# Altium PCB CLP_v1.2_Pcb_2.PcbDoc (part 1 of 2)
Units mil, origin at the board's own origin, x right, y up, seen from the top; angles counter-clockwise.
Board outline 2247.32 x 3030.4 mil, 2 copper layers (Top Layer, Bottom Layer); 102 components, 87 nets, 445 pads, 103 vias.
Unrouted connection lines stored in the file: 22.
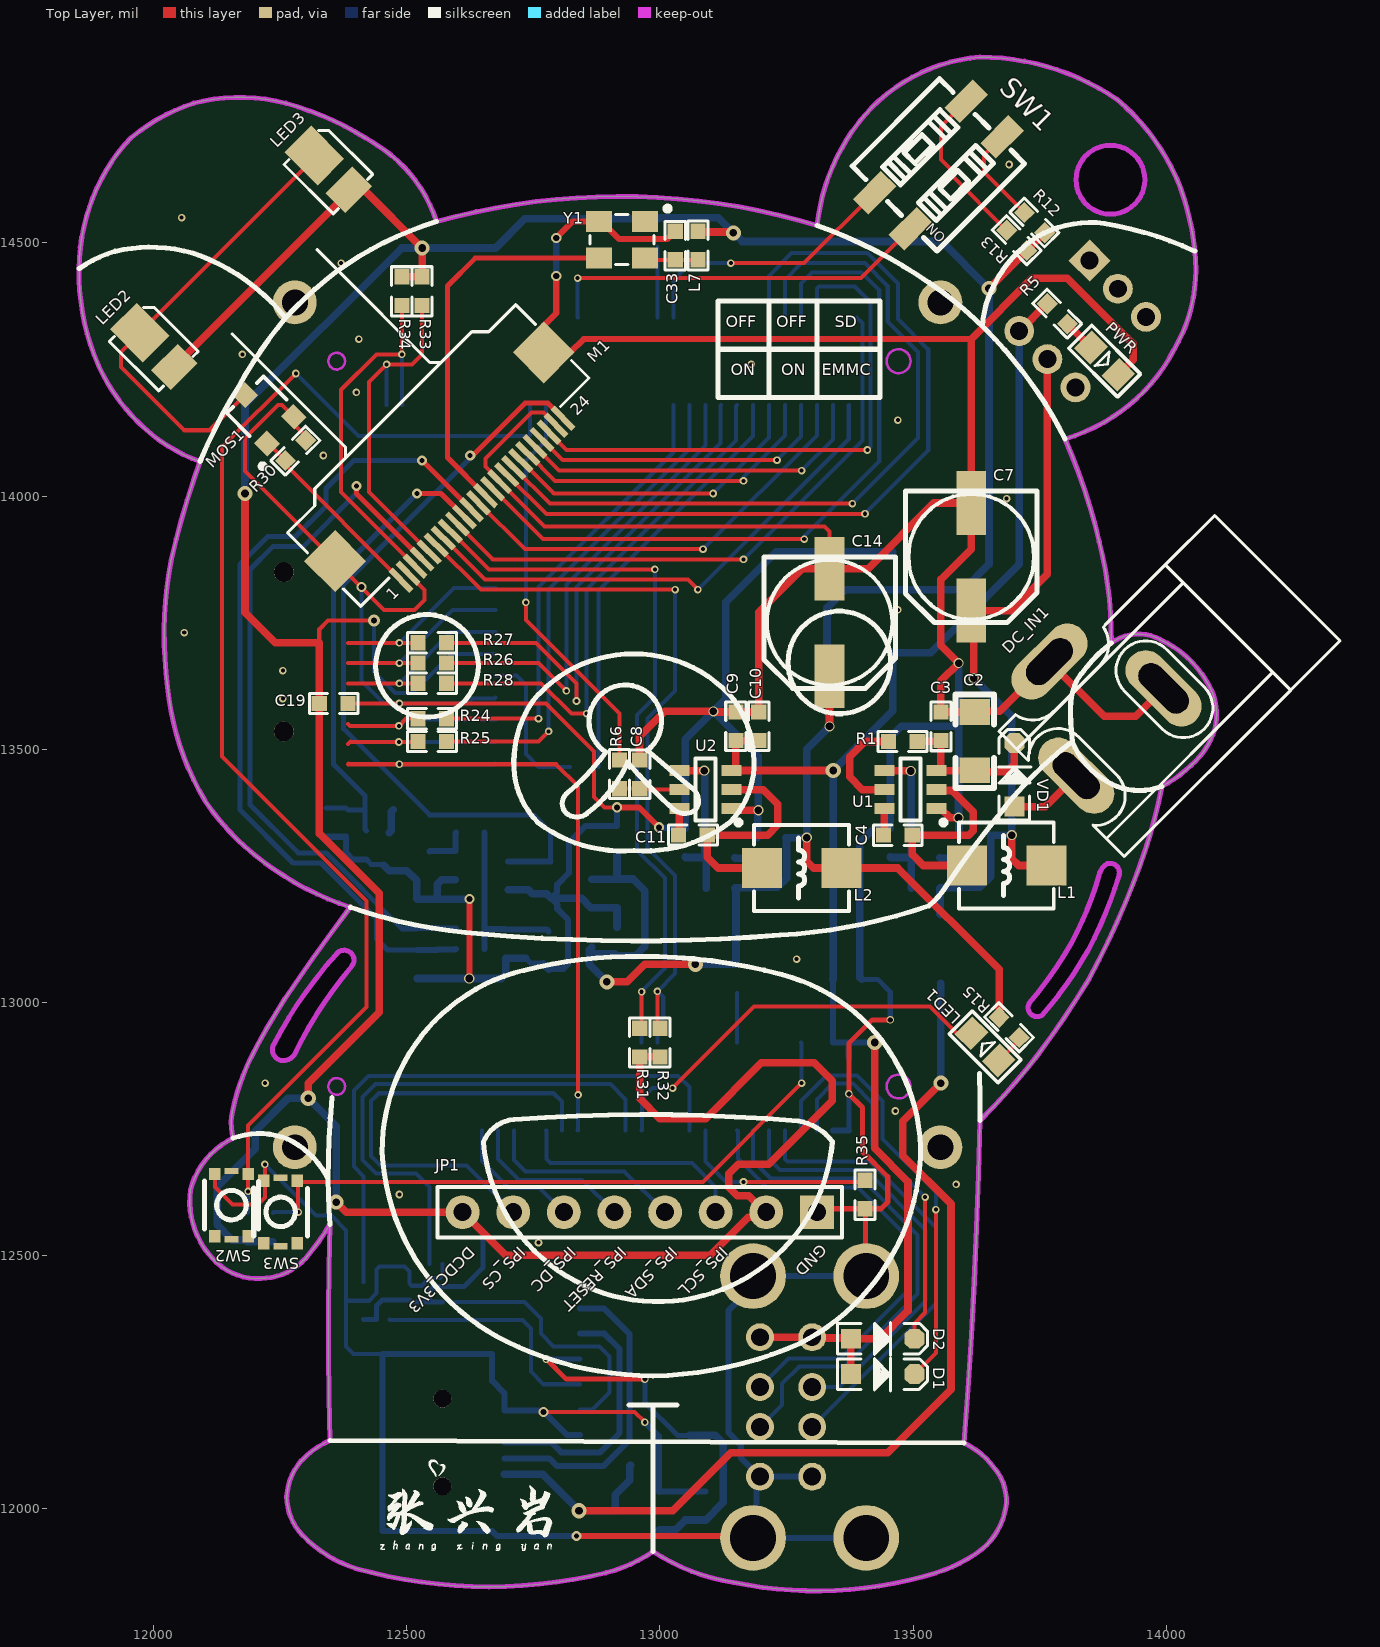
[diagram p0: Top Layer view]
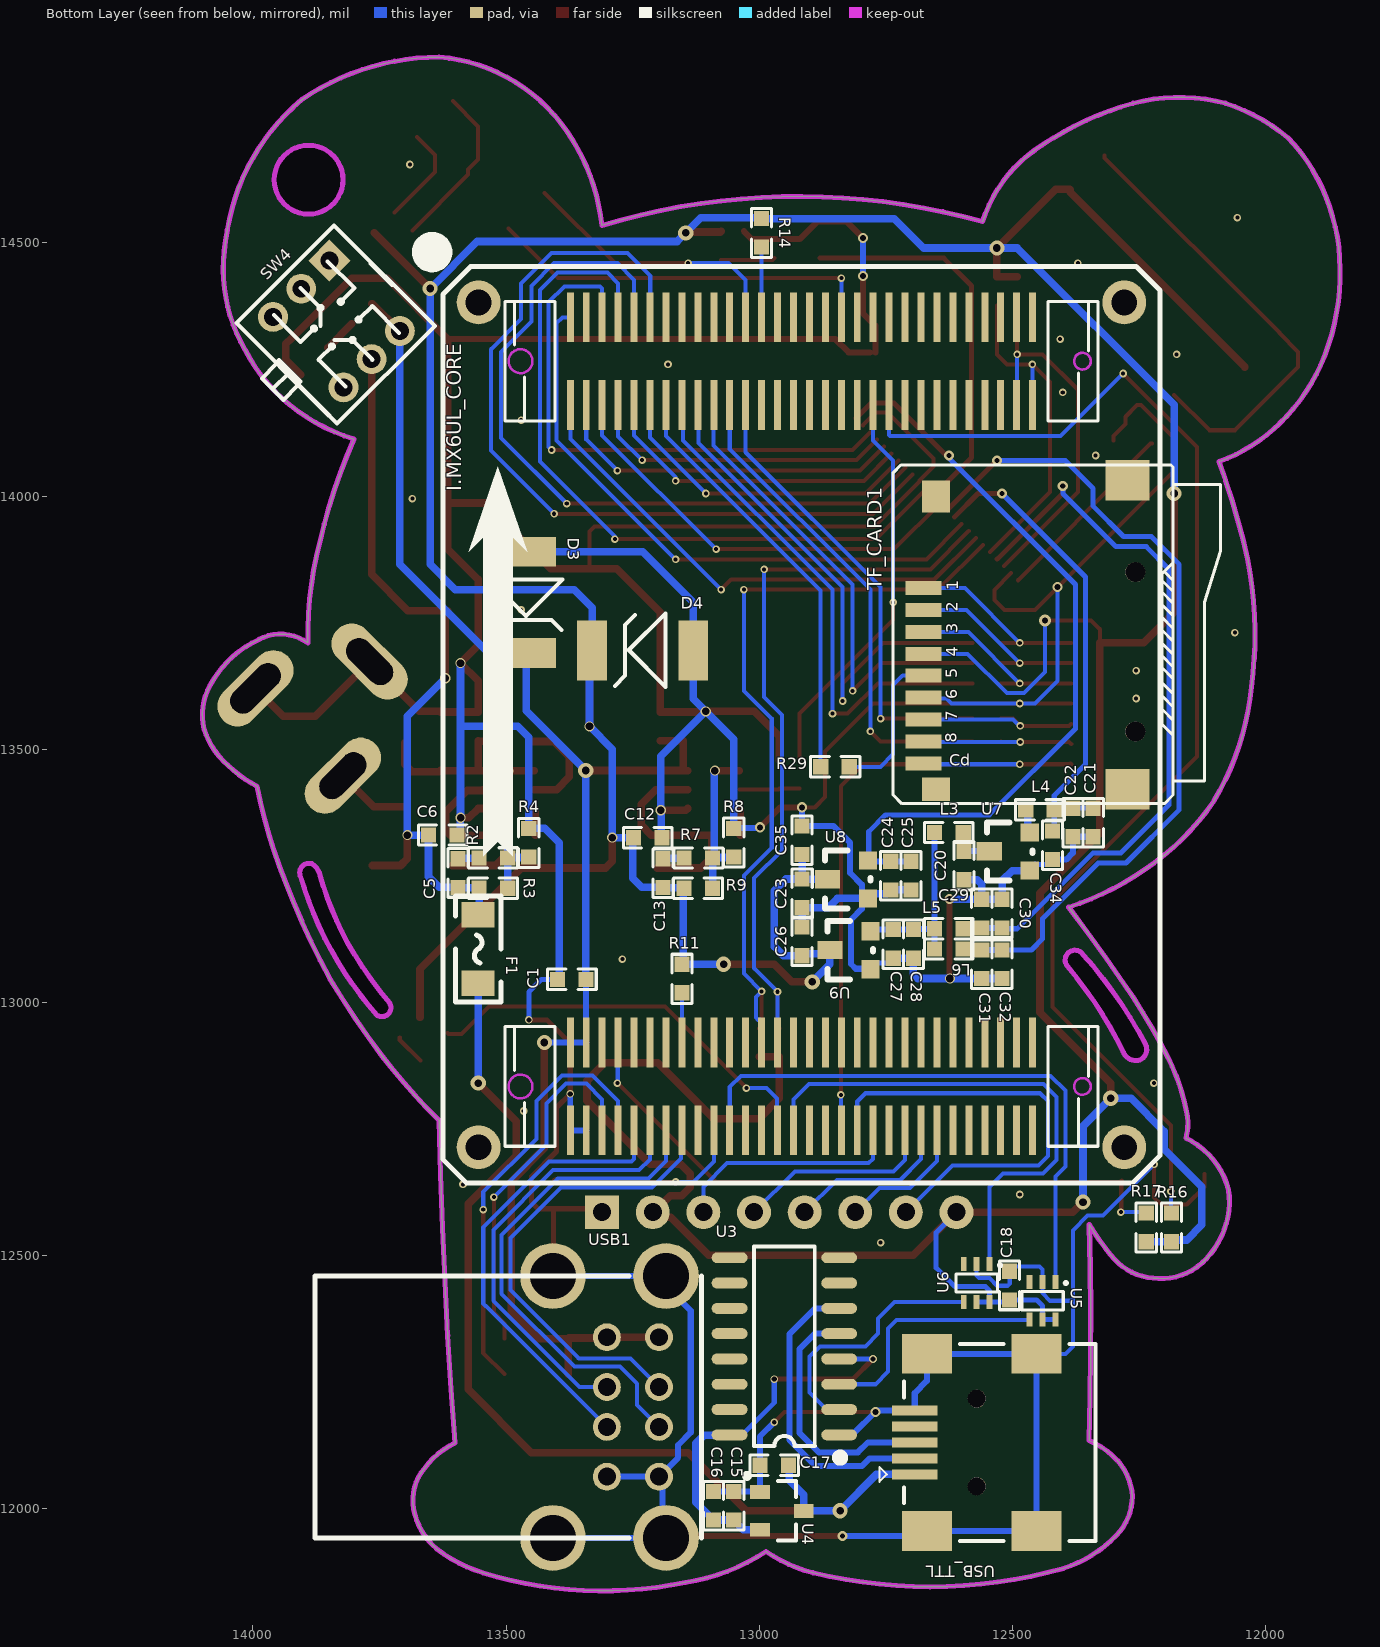
[diagram p1: Bottom Layer view, seen from below]

## Layer stack, top to bottom
Top Solder: solder mask 0.4, Solder Resist, Dk 3.5
Top Layer: signal copper 1.4
Dielectric 1: dielectric 12.6, FR-4, Dk 4.8
Bottom Layer: signal copper 1.4
Bottom Solder: solder mask 0.4, Solder Resist, Dk 3.5

## Board outline
12116.52,12492.87 cw(c12237.13,12607.38) 12072.26,12629.24 cw(c12224.71,12589.12) 12156.48,12731.23 cw(c12264.45,12760.09) 12155.24,12783.82 cw(c12564.24,12701.97) 12191.78,12889.75 cw(c13275.98,12343.82) 12278.93,13036.21 cw(c15109.31,11108.9) 12388.13,13187.55 cw(c12559.24,13719.6) 12238.67,13261.79 cw(c12510.87,13675.32) 12101.29,13397.22 cw(c12563.95,13674.19) 12027.2,13622.57 cw(c12798.53,13726.45) 12034.79,13876.26 cw(c13626,13511.71) 12091.28,14068.02 cw(c12203.74,14380.02) 11971.58,14143.18 cw(c12233.69,14413.83) 11890.33,14258.73 cw(c12297.58,14439.03) 11852.32,14449.27 cw(c12217.26,14450.31) 11873.21,14572 cw(c12207.68,14463.1) 11955.76,14708.59 cw(c12194.74,14419.48) 12078.2,14776.02 cw(c12169.67,14431.55) 12260.86,14776.09 cw(c12097.05,14184.42) 12439.62,14693.89 cw(c12296.22,14459.33) 12558.29,14542.39 cw(c12921.25,13239.99) 13310.59,14534.75 cw(c13709.08,14492.23) 13391.93,14737.21 cw(c13658.45,14531.6) 13632.19,14867.19 cw(c13632.19,14386.5) 13903.63,14783.22 cw(c13627.86,14453.88) 14028.68,14608.35 cw(c13536.81,14432.2) 14056.72,14483.75 cw(c13741.22,14448.22) 14015.52,14288.35 cw(c13706.73,14449.81) 13927.01,14179.81 cw(c13689.61,14473.85) 13800.41,14112.55 13800.4,14112.55 cw(c12696.74,13632.51) 13867.93,13909.68 cw(c13136.65,13721.77) 13891.59,13709.69 cw(c13945.56,13635.63) 13988.85,13716.4 cw(c13901.41,13528.39) 14078.53,13636.2 cw(c13978.17,13567.56) 14096.48,13539.52 cw(c13945.76,13587.23) 14049.66,13468.07 cw(c13882.57,13639.56) 13991.7,13426.44 cw(c12994.98,13618.2) 13935.82,13237.37 cw(c12293.81,13874.85) 13847.47,13044.96 cw(c12146.03,14088.16) 13744.47,12893.11 cw(c12775.27,13638.27) 13632.17,12766.29 cw(c2172.48,13011.35) 13600.78,12129.06 cw(c13532.25,11985.07) 13661.34,12078.69 cw(c13585.71,12015.35) 13684.22,12010.03 cw(c13550.21,12022.78) 13637.13,11919.99 cw(c13464.79,12140.46) 13545.21,11872.43 cw(c13308.91,12636.87) 13145.41,11853.62 cw(c13204.41,12245.53) 12986.32,11914.61 cw(c12825.39,12146.94) 12893.45,11872.63 cw(c12662.29,12819.61) 12398.15,11881.3 cw(c12476.9,12123.34) 12293.87,11946.46 cw(c12374.26,12024.12) 12262.49,12023.34 cw(c12376.34,12017.69) 12292.1,12094.48 cw(c12418.01,11975.75) 12347.89,12133.97 cw(c19536.13,12350.76) 12347.68,12560.56 cw(c11960.41,12790.03) 12305.21,12500.64 cw(c12211.11,12572.43) 12211.11,12454.08 cw(c12204.69,12573.16)
cut-out: 12258.66,12884.41 cw(c12256.28,12906.5) 12236.42,12916.44 cw(c13006.64,12512.41) 12359.78,13093.83 cw(c12375.97,13083.38) 12391.12,13071.48 ccw(c13640.93,12063.08) 12353.8,13023.4 ccw(c13002.66,12550.32) 12280.51,12901.48 cw(c12254.8,12911.87)
cut-out: 13730.46,12999.14 ccw(c13745.16,12989.15) 13754.64,12974.13 ccw(c13191.07,13469.78) 13858.2,13125.95 ccw(c13069.54,13506.15) 13906.65,13249.65 ccw(c13889.15,13255.8) 13883.46,13273.45 ccw(c13903.03,13242.55) 13867.22,13250.02 cw(c13240.77,13428.79) 13813.37,13118.1 cw(c13119.92,13513.01)
cut-out: 13890,14556.99 cw(c13890,14625) 13821.99,14625 cw(c13890,14625) 13890,14693.01 cw(c13890,14625) 13958.01,14625 cw(c13890,14625)

## Design rules (kind name [scope] priority, off if disabled: settings)
Clearance [All] p1: gap=8 ignorepadtopadclearanceinfootprint=FALSE except(0: Arc-Hole Track-Hole SMDPad-Hole THPad-Hole Via-Hole Fill-Hole Poly-Hole Region-Hole Text-Hole)
ComponentClearance [InComponent('No Component') vs InComponent('No Component')] p1: gap=10 collisioncheckmode=3 verticalgap=10 showdistances=FALSE
PolygonConnect [All] p1: connectstyle=Relief reliefconductorwidth=10 reliefentries=4 polygonreliefangle="90 Angle" airgapwidth=10
RoutingVias [All] p1: holewidth=10 width=20 viastyle="Through Hole" minholewidth=8 minwidth=15 maxholewidth=20 maxwidth=40
SolderMaskExpansion [All] p1: expansion=4 istentingtop=FALSE
Width [All] p1: maxlimit=15 minlimit=8 preferedwidth=10
29 further rules are at their usual default settings.

## Classes and differential pairs
component class CLP_v1.2_Sch: C1 C2 C3 C4 C5 C6 C7 C8 C9 C10 C11 C12 C13 C14 C15 C16 C17 C18 D1 D2 D3 D4 DC_IN1 F1 I.MX6UL_CORE L1 L2 PWR R1 R2 R3 R4 R5 R6 R7 R8 R9 R24 R25 R26 R27 R28 R29 R35 SW4 U1 U2 U3 U4 U5 U6 USB1 USB_TTL VD1
component class CLP_v1.2_Sch1: C19 C20 C21 C22 C23 C24 C25 C26 C27 C28 C29 C30 C31 C32 C33 C34 C35 JP1 L3 L4 L5 L6 L7 LED1 LED2 LED3 M1 MOS1 R11 R12 R13 R14 R15 R16 R17 R30 R31 R32 R33 R34 SW1 SW2 SW3 TF_CARD1 U7 U8 U9 Y1

## Components (designator, comment, footprint, x,y, rotation, side; value= is the part's Value field where it differs from the comment)
C1 "104" "C 0603" 13370,13045 r0 bottom
C2 "47uF/25V" 1206 13621.75,13515.67 r90 top
C3 "104" "C 0603" 13555,13545 r90 top
C4 "104" "C 0603" 13470,13330 r0 top
C5 "101" "C 0603" 13595,13255 r270 bottom
C6 "104" "C 0603" 13625,13330 r0 bottom
C7 "470uF" "CM D(6.3*7.7)" 13615,13880 r270 top
C8 "104" "C 0603" 12960,13450 r270 top
C9 "10uF" "C 0603" 13150,13545 r270 top
C10 "104" "C 0603" 13195,13545 r270 top
C11 "104" "C 0603" 13065,13330 r180 top
C12 "104" "C 0603" 13220,13325 r180 bottom
C13 "101" "C 0603" 13190,13255 r90 bottom
C14 "470uF" "CM D(6.3*7.7)" 13335,13750 r270 top
C15 "104" "C 0603" 13050,12005 r270 bottom
C16 "10uF" "C 0603" 13090,12005 r270 bottom
C17 "10uF" "C 0603" 12970,12085 r180 bottom
C18 "104" "C 0603" 12505,12440 r270 bottom
C19 "104" "C 0603" 12355,13590 r180 top
C20 "1uF" "C 0603" 12595,13270 r90 bottom
C21 "10uF" "C 0603" 12340,13355 r90 bottom
C22 "104" "C 0603" 12380,13355 r90 bottom
C23 "1uF" "C 0603" 12915,13215 r90 bottom
C24 "10uF" "C 0603" 12740,13250 r90 bottom
C25 "104" "C 0603" 12700,13250 r90 bottom
C26 "1uF" "C 0603" 12915,13120 r270 bottom
C27 "10uF" "C 0603" 12735,13115 r90 bottom
C28 "104" "C 0603" 12695,13115 r90 bottom
C29 "10uF" "C 0603" 12560,13175 r270 bottom
C30 "104" "C 0603" 12520,13175 r270 bottom
C31 "10uF" "C 0603" 12560,13075 r90 bottom
C32 "104" "C 0603" 12520,13075 r90 bottom
C33 "104" "C 0603" 13030,14495 r90 top
C34 "1uF" "C 0603" 12420,13310 r270 bottom
C35 "104" "C 0603" 12915,13320 r270 bottom
D1 "MBR0520" SOD-123F 13440,12265 r0 top
D2 "MBR0520" SOD-123F 13440,12335 r0 top
D3 "SMBJ5.0A" SMBJ 13460,13795 r270 bottom
D4 "SMBJ3.3A" SMBJ 13225,13695 r0 bottom
DC_IN1 "POWER" DC10B 13998.54,13863.95 r225 top locked
F1 "2A" "FU 1206" 13555,13105 r270 bottom
I.MX6UL_CORE "I.MX6UL_CORE" I.MX6UL_CORE 12916.26,13547.95 r180 bottom locked
JP1 "HDR-1X8" HDR-1X8_M 13310,12585 r180 top locked
L1 "4.7uH" L-SMD-0420 13685,13270 r0 top
L2 "4.7uH" L-SMD-0420 13280,13265 r0 top
L3 "3.3uH" "L 0603" 12625,13335 r0 bottom
L4 "FB-600R" "L 0603" 12445,13380 r180 bottom
L5 "3.3uH" "L 0603" 12625,13145 r180 bottom
L6 "3.3uH" "L 0603" 12625,13105 r180 bottom
L7 "3.3uH" "L 0603" 13075,14495 r90 top
LED1 "RED" "LED 0805R" 13641.11,12913.18 r135 top
LED2 "LED" SMDLED-3528 11972.12,14322.88 r315 top
LED3 "LED" SMDLED-3528 12317.12,14672.88 r315 top
M1 "0V5640-A-170" OV5640 12488.3,13833.56 r45 top locked
MOS1 "SI2302" SO-G3/C2.5 12215,14165 r45 top
PWR "BLUE" "LED 0805R" 13880,14265 r315 top
R1 "100K" "R 0603" 13480,13515 r180 top
R2 "1K" "R 0603" 13525,13285 r0 bottom
R3 "84.5K 1%" "R 0603" 13525,13225 r0 bottom
R4 "15k 1%" "R 0603" 13455,13315 r270 bottom
R5 "1K" "R 0603" 13785,14360 r135 top
R6 "1K" "R 0603" 12920,13450 r90 top
R7 "1K" "R 0603" 13120,13285 r180 bottom
R8 "15K 1%" "R 0603" 13050,13315 r90 bottom
R9 "49.9K 1%" "R 0603" 13120,13225 r0 bottom
R11 "10K" "R 0603" 13152.17,13046.68 r270 bottom
R12 "4.7K" "R 0603" 13740,14540 r135 top
R13 "4.7K" "R 0603" 13705,14505 r135 top
R14 "4.7K" "R 0603" 12995,14520 r270 bottom
R15 "510R" "R 0603" 13690,12950 r135 top
R16 "10K" "R 0603" 12185,12555 r270 bottom
R17 "10K" "R 0603" 12235,12555 r270 bottom
R24 "100R" "R 0603" 12550,13560 r180 top
R25 "100R" "R 0603" 12550,13515 r180 top
R26 "100R" "R 0603" 12550,13670 r180 top
R27 "100R" "R 0603" 12550,13710 r180 top
R28 "100R" "R 0603" 12550,13630 r180 top
R29 "100R" "R 0603" 12850,13465 r180 bottom
R30 "10K" "R 0603" 12280,14090 r225 top
R31 "10K" "R 0603" 12960,12920 r90 top
R32 "10K" "R 0603" 13000,12920 r90 top
R33 "4.7K" "R 0603" 12530,14405 r270 top
R34 "4.7K" "R 0603" 12490,14405 r270 top
R35 "1K" "R 0603" 13405,12620 r270 top
SW1 "DM-02-V" SMD_KEY 13535,14645 r135 top
SW2 "TBEG-W-Q-T/R" SW 12153.24,12599.53 r270 top
SW3 "TBEG-W-Q-T/R" SW 12250.35,12586.15 r270 top
SW4 "KET 7X7" "KFT DIP-7X7" 13835,14340 r225 bottom
TF_CARD1 "Micro SD" "Micro SD" 12272.36,13420.59 r90 bottom locked
U1 "DC JW5060T_6" SOT23-6N 13495,13420 r0 top
U2 "DC JW5060T_6" SOT23-6N 13090,13420 r0 top
U3 "CH340C" SOP16_N 12950,12320 r0 bottom locked
U4 "XC6206" SOT23-3N 12955,11995 r270 bottom
U5 "SGM3157" SOT363-6L 12440,12410 r270 bottom
U6 "SGM3157" SOT363-6L 12570,12445 r270 bottom
U7 "XC6206P152MR" SOT-23 12465,13260 r180 bottom
U8 "XC6206P282MR" SOT-23 12785,13205 r180 bottom
U9 "XC6206P282MR" SOT-23 12780,13065 r180 bottom
USB1 "KH-2AF90DIP-1715" USB_HOST 13233.04,12396.99 r270 bottom locked
USB_TTL "USB-5P" USB-MINI-A 12570,12130 r90 bottom locked
VD1 "SS34" SOD-123F 13700.27,13449.31 r90 top
Y1 "24.000Mhz" XTAL3225 12970,14542.83 r180 top

## Footprints (in the part's own frame and the unit in brackets; to place one, negate y for a bottom-side part, rotate by r counter-clockwise, add the part's x,y. Pads: shape width x height; smd on the part's side, far side on the other; paste and mask are expansions set on the pad)
1206 [mil]
  rect 51.18x60 smd: 1(-57.5,0) 2(57.5,0)
  silkscreen extent -93,-38 93,38
"C 0603" [mil]
  rect 30x30 smd: 1(-28.25,0) 2(28.25,0)
  silkscreen extent -48,-20 48,20, body extent -31,-16 32,16, height 32
"CM D(6.3*7.7)" [mm] "贴片电解电容，直径6.3mm，高7.7mm"
  rect 3.2x1.5 smd: 1(2.7,0) 2(-2.7,0)
  silkscreen extent -3.3,-3.3 3.3,3.3, body extent -3.5,-3.3 3.5,3.3, height 7.7
DC10B [mil]
  oval 80x180 hole 50 slot 110 at 90 deg: 1(419.09,170)
  oval 80x180 hole 50 slot 120 at 90 deg: 2(175,170)
  oval 180x80 hole 50 slot 110 at 0 deg: 3(297.05,-26.85)
  silkscreen extent -138,0 465,350, body extent -131,-18 422,348, height 441
"FU 1206" [mil]
  rect 50x65 smd: 1(-67.5,0) 2(67.5,0)
  silkscreen extent -105,-45 105,45, body extent -63,-32 63,32, height 34
HDR-1X8_M [mm] "排母，8脚"
  rect 1.7x1.7 hole 0.9: 1(0,0)
  round 1.7 hole 0.9: 2(2.54,0) 3(5.08,0) 4(7.62,0) 5(10.16,0) 6(12.7,0) 7(15.24,0) 8(17.78,0)
  silkscreen extent -1.27,-1.27 19.05,1.27, body extent -1.27,-1.27 19.05,1.27, height 8.5
I.MX6UL_CORE [mm]
  round 2.2 hole 1.3: 0(-16.2,-21.2) 0(-16.2,21.2) 0(16.2,-21.2) 0(16.2,21.2)
  rect 0.35x2.5 smd: J1_1(-11.6,20.45) J1_2(-10.8,20.45) J1_3(-10,20.45) J1_4(-9.2,20.45) J1_5(-8.4,20.45) J1_6(-7.6,20.45) J1_7(-6.8,20.45) J1_8(-6,20.45) J1_9(-5.2,20.45) J1_10(-4.4,20.45) J1_11(-3.6,20.45) J1_12(-2.8,20.45) J1_13(-2,20.45) J1_14(-1.2,20.45) J1_15(-0.4,20.45) J1_16(0.4,20.45) J1_17(1.2,20.45) J1_18(2,20.45) J1_19(2.8,20.45) J1_20(3.6,20.45) J1_21(4.4,20.45) J1_22(5.2,20.45) J1_23(6,20.45) J1_24(6.8,20.45) J1_25(7.6,20.45) J1_26(8.4,20.45) J1_27(9.2,20.45) J1_28(10,20.45) J1_29(10.8,20.45) J1_30(11.6,20.45) J1_31(11.6,16.05) J1_32(10.8,16.05) J1_33(10,16.05) J1_34(9.2,16.05) J1_35(8.4,16.05) J1_36(7.6,16.05) J1_37(6.8,16.05) J1_38(6,16.05) J1_39(5.2,16.05) J1_40(4.4,16.05) J1_41(3.6,16.05) J1_42(2.8,16.05) J1_43(2,16.05) J1_44(1.2,16.05) J1_45(0.4,16.05) J1_46(-0.4,16.05) J1_47(-1.2,16.05) J1_48(-2,16.05) J1_49(-2.8,16.05) J1_50(-3.6,16.05) J1_51(-4.4,16.05) J1_52(-5.2,16.05) J1_53(-6,16.05) J1_54(-6.8,16.05) J1_55(-7.6,16.05) J1_56(-8.4,16.05) J1_57(-9.2,16.05) J1_58(-10,16.05) J1_59(-10.8,16.05) J1_60(-11.6,16.05) J2_1(-11.6,-15.95) J2_2(-10.8,-15.95) J2_3(-10,-15.95) J2_4(-9.2,-15.95) J2_5(-8.4,-15.95) J2_6(-7.6,-15.95) J2_7(-6.8,-15.95) J2_8(-6,-15.95) J2_9(-5.2,-15.95) J2_10(-4.4,-15.95) J2_11(-3.6,-15.95) J2_12(-2.8,-15.95) J2_13(-2,-15.95) J2_14(-1.2,-15.95) J2_15(-0.4,-15.95) J2_16(0.4,-15.95) J2_17(1.2,-15.95) J2_18(2,-15.95) J2_19(2.8,-15.95) J2_20(3.6,-15.95) J2_21(4.4,-15.95) J2_22(5.2,-15.95) J2_23(6,-15.95) J2_24(6.8,-15.95) J2_25(7.6,-15.95) J2_26(8.4,-15.95) J2_27(9.2,-15.95) J2_28(10,-15.95) J2_29(10.8,-15.95) J2_30(11.6,-15.95) J2_31(11.6,-20.35) J2_32(10.8,-20.35) J2_33(10,-20.35) J2_34(9.2,-20.35) J2_35(8.4,-20.35) J2_36(7.6,-20.35) J2_37(6.8,-20.35) J2_38(6,-20.35) J2_39(5.2,-20.35) J2_40(4.4,-20.35) J2_41(3.6,-20.35) J2_42(2.8,-20.35) J2_43(2,-20.35) J2_44(1.2,-20.35) J2_45(0.4,-20.35) J2_46(-0.4,-20.35) J2_47(-1.2,-20.35) J2_48(-2,-20.35) J2_49(-2.8,-20.35) J2_50(-3.6,-20.35) J2_51(-4.4,-20.35) J2_52(-5.2,-20.35) J2_53(-6,-20.35) J2_54(-6.8,-20.35) J2_55(-7.6,-20.35) J2_56(-8.4,-20.35) J2_57(-9.2,-20.35) J2_58(-10,-20.35) J2_59(-10.8,-20.35) J2_60(-11.6,-20.35)
  Keep-Out Layer circle w0.127: c14.1,-18.15 r0.42
  Keep-Out Layer circle w0.127: c-14.1,-18.15 r0.6
  Keep-Out Layer circle w0.127: c-14.1,18.25 r0.6
  Keep-Out Layer circle w0.127: c14.1,18.25 r0.42
  silkscreen extent -19.04,-23 18,24.23
"KFT DIP-7X7" [mm] "自锁开关，规格：7*7mm"
  rect 1.5x1.5 hole 0.9: 1(-2.5,2)
  round 1.5 hole 0.9: 2(-2.5,0) 3(-2.5,-2) 4(2.5,-2) 5(2.5,0) 6(2.5,2)
  silkscreen extent -3.58,-4.58 3.56,3.42, body extent -3.5,-3.5 3.5,3.5, height 11.2
"L 0603" [mil]
  rect 30x30 smd mask+2: 1(-28.25,0) 2(28.25,0)
  silkscreen extent -48,-20 48,20, body extent -32,-16 31,16, height 31
L-SMD-0420 [mm]
  rect 2x2 smd: 1(-2,0) 2(2,0)
  silkscreen extent -2.39,-2.16 2.36,2.17, body extent -2.26,-2.06 2.24,2.04, height 1.91
"LED 0805R" [mil]
  rect 45x50 smd: 1(-40,0) 2(36.01,0)
  silkscreen extent -70,-32 66,32, body extent -39,-25 39,25, height 32
"Micro SD" [mm]
  rect 2.032x2.2 smd: 0(0,0) 0(15.5,0)
  rect 1.2x1.4 smd: 0(0,9.6)
  round 1 hole 1 unplated: 0(2.9,-0.4) 0(10.9,-0.4)
  rect 1.6x1.4 smd: 0(14.7,9.6)
  rect 0.7x1.8 smd: 1(10.1,10.227) 2(9,10.227) 3(7.9,10.227) 4(6.8,10.227) 5(5.7,10.227) 6(4.6,10.227) 7(3.5,10.227) 8(2.4,10.227) 9(1.3,10.227)
  silkscreen extent -0.72,-4.68 16.27,11.75, body extent -0.27,-4.63 16,10.57, height 1.8
OV5640 [mm]
  rect 0.3x1.5 smd: 1(0,0) 2(0.5,0) 3(1,0) 4(1.5,0) 5(2,0) 6(2.5,0) 7(3,0) 8(3.5,0) 9(4,0) 10(4.5,0) 11(5,0) 12(5.5,0) 13(6,0) 14(6.5,0) 15(7,0) 16(7.5,0) 17(8,0) 18(8.5,0) 19(9,0) 20(9.5,0) 21(10,0) 22(10.5,0) 23(11,0) 24(11.5,0)
  rect 2.2x2.2 smd: 25(13.151,3.023) 26(-1.657,3.023)
  round 1.2 on Top Overlay: 27(2.032,23.114) 27(2.032,15.621) 27(9.525,15.621) 27(9.525,23.114)
  rect 9x9 on Top Overlay: 27(5.753,19.317)
  silkscreen extent -2.36,0.51 13.85,14.73
"R 0603" [mil]
  rect 30x30 smd: 1(-28.25,0) 2(28.25,0)
  silkscreen extent -48,-20 49,20, body extent -32,-16 31,16, height 16
SMBJ [mm]
  rect 1.5x3 smd: 1(-2.413,0) 2(2.667,0)
  silkscreen extent -1.02,-1.85 1.52,1.83
SMD_KEY [mm] "boot && led_key"
  rect 1.1x2 smd: 1(-1.372,-3.686) 2(1.168,-3.686) 3(1.168,2.814) 4(-1.372,2.814)
  silkscreen extent -3.11,-3.54 2.93,2.66, body extent -2.06,-3.83 1.71,2.88, height 1
SMDLED-3528 [mm]
  rect 1.4x1.9 smd: 1(2.438,0)
  rect 2.35x1.9 smd: 2(0,0)
  silkscreen extent -0.76,-1.4 2.74,1.4
SO-G3/C2.5 [mm]
  rect 0.9x0.95 smd: 1(-0.95,-1.25) 2(0.95,-1.25) 3(0,1.25)
  silkscreen extent -2.03,-2.03 1.3,1.25
SOD-123F [mm]
  rect 1x1 smd: 1(-1.6,0)
  oct 1x1 smd: 2(1.6,0)
  silkscreen extent -2.26,-0.84 2.26,0.81, body extent -1.9,-0.8 1.9,0.8, height 1.15
SOP16_N [mm]
  oval 1.8x0.55 smd: 1(-2.75,4.445) 2(-2.75,3.175) 3(-2.75,1.905) 4(-2.75,0.635) 5(-2.75,-0.635) 6(-2.75,-1.905) 7(-2.75,-3.175) 8(-2.75,-4.445) 9(2.75,-4.445) 10(2.75,-3.175) 11(2.75,-1.905) 12(2.75,-0.635) 13(2.75,0.635) 14(2.75,1.905) 15(2.75,3.175) 16(2.75,4.445)
  silkscreen extent -2.95,-5 1.52,5.74, body extent -3,-5 3,5, height 1.9
SOT23-3N [mm]
  rect 0.7x1 smd: 1(-0.95,-1.1) 2(0.95,-1.1) 3(0,1.1)
  silkscreen extent -1.88,-1.88 1.5,0.7, body extent -1.5,-1.2 1.5,1.2, height 1.05
SOT23-6N [mm]
  rect 1x0.55 smd: 1(1.3,-0.95) 2(1.3,0) 3(1.3,0.95) 4(-1.3,0.95) 5(-1.3,0) 6(-1.3,-0.95)
  silkscreen extent -0.51,-1.78 1.78,1.55, body extent -1.4,-1.5 1.4,1.5, height 1.15
SOT363-6L [mm]
  rect 0.7x0.3 smd: 1(-0.95,0.65) 2(-0.95,0) 3(-0.95,-0.65) 4(0.95,-0.65) 5(0.95,0) 6(0.95,0.65)
  silkscreen extent -0.97,-1.04 0.46,1.24, body extent -1.05,-1 1.05,1, height 1
SOT-23 [mil]
  rect 36x36 smd: 1(0,0) 2(0,75)
  rect 50x36 smd: 3(-80,38)
  silkscreen extent -85,-20 5,95
SW [mm] "key"
  rect 0.625x0.575 smd: 1(-1.547,0.839) 2(1.577,0.839) 3(-1.547,-0.835) 4(1.577,-0.835)
  rect 0.325x0.7 smd: 5(1.727,0.002) 6(-1.697,0.002)
  silkscreen extent -1.19,-1.35 1.22,1.35, body extent -1.53,-1.05 1.47,1.05, height 0.55
USB-MINI-A [mm]
  rect 0.5x2.3 smd: 1(-1.6,3.108) 2(-0.8,3.108) 3(0,3.108) 4(0.8,3.108) 5(1.6,3.108)
  rect 2x2.5 smd: 5(-4.45,-3) 5(-4.45,2.5) 5(4.45,-3) 5(4.45,2.5)
  round 0.9 hole 0.9 unplated: MH1(2.2,0) MH2(-2.2,0)
  silkscreen extent -4.95,-5.95 4.95,4.89, body extent -4.75,-6 4.75,3.7, height 3.95
USB_HOST [mm] "KH-2AF90DIP-1715"
  round 1.4 hole 0.9: 1(1.5,0.9) 2(4,0.9) 3(6,0.9) 4(8.5,0.9) 5(1.5,-1.72) 6(4,-1.72) 7(6,-1.72) 8(8.5,-1.72)
  round 3.3 hole 2.3: 9(-1.57,1.25) 10(11.57,1.25) 11(-1.57,-4.43) 12(11.57,-4.43)
  silkscreen extent -1.57,-16.37 11.58,3.02, body extent -7.25,-15.25 12.95,5.43, height 15.6
XTAL3225 [mm]
  rect 1.3x1.05 smd: 1(0,0) 2(2.3,0) 3(2.3,1.85) 4(0,1.85)
  silkscreen extent -1.27,-0.76 2.74,2.17

## Part data
C1 C2 C3 C4 C5 C6 C8 C9 C10 C11 C12 C13 C15 C16 C17 C18 C19 C20 C21 C22 C23 C24 C25 C26 C27 C28 C29 C30 C31 C32 C33 C34 C35: library part C
C7 C14: library part C-CM, "贴片电解电容", BOM名称=贴片电解电容, 学习资源=www.ooocke.com, 版权归属=源创客
D1 D2 VD1: library part SS14, "肖特基二极管", BOM名称=肖特基二极管, 学习资源=www.ooocke.com, 属性=40V/1A, 版权归属=源创客
D3 D4: library part SMBJ, "TVS"
DC_IN1: library part P-DC, "低压电源接口", BOM名称=DC电源接口, 学习资源=www.ooocke.com, 版权归属=源创客
F1: library part FU, "贴片保险丝", BOM名称=贴片保险丝, 学习资源=www.ooocke.com, 版权归属=源创客
I.MX6UL_CORE: library part I.MX6UL核心板, "I.MX6UL核心板"
JP1: library part "Header 8", "8P接插件", BOM名称=8P接插件, 学习资源=https://lmdzstyle.taobao.com/, 版权归属=黎明电子style
L1 L2: library part L-CDRH, "功率屏蔽电感", BOM名称=功率屏蔽电感, 学习资源=www.ooocke.com, 版权归属=源创客
L3 L4 L5 L6 L7: library part L, "小功率贴片电感磁珠", BOM名称=小功率贴片电感, 学习资源=www.ooocke.com, 版权归属=源创客
LED1 PWR: library part LED-SMD, "贴片LED", BOM名称=贴片LED, 学习资源=www.ooocke.com, 版权归属=源创客
M1: library part OV5640-A-170, "OV5640-A-170,AF,FPC"
MOS1: library part MOS-N, "AP2306"
R1 R2 R3 R4 R5 R6 R7 R8 R9 R11 R12 R13 R14 R15 R16 R17 R24 R25 R26 R27 R28 R29 R30 R31 R32 R33 R34 R35: library part R
SW1: library part SMD_KEY, "boot && led key"
SW2 SW3: library part SW, "key"
SW4: "7*7自锁开关", BOM名称=7*7自锁开关, 学习资源=https://lmdzstyle.taobao.com/, 版权归属=黎明电子style
TF_CARD1: "Micro SD卡", BOM名称="Micro SD卡", 学习资源=www.ooocke.com, 版权归属=源创客
U1 U2: "DC降压芯片"
U3: library part CH340G, "USB2UART"
U4: library part "LDO XC6206", "LDO", Package=SOT-23, SuppliersPartNumber=C5446, ComponentLink1Description=供应商链接, ComponentLink1URL=http://www.szlcsc.com/product/details_5896.html, Supplier=LC
U5 U6: "单路双掷模拟开关"
U7 U8 U9: library part XC6206, "LDO,SOT23,1.2~5.0V"
USB1: library part USB_HOST, "WIFI && USB_HUB"
USB_TTL: "微型USB母座", BOM名称=微型USB母座, 学习资源=www.ooocke.com, 版权归属=源创客
Y1: library part XTAL_S, "有源晶振"

## Via types
v1: diameter 15, hole 8, Top Layer to Bottom Layer, 63 vias
v2: diameter 30, hole 15, Top Layer to Bottom Layer, 12 vias
v3: diameter 20, hole 15, Top Layer to Bottom Layer, 11 vias
v4: diameter 20, hole 12, Top Layer to Bottom Layer, 7 vias
v5: diameter 20, hole 10, Top Layer to Bottom Layer, 5 vias
v6: diameter 15, hole 10, Top Layer to Bottom Layer, 4 vias
v7: diameter 24, hole 12, Top Layer to Bottom Layer, 1 vias

## Nets (pads, with @x,y where several pads share a name; then routed paths per layer and width w, separated by ;. In a path a pad name is that pad's centre, name@x,y a point inside that pad or via, vN(x,y) a via of type N, cw(c..) or ccw(c..) an arc to the next point about the centre after c; other vN are vias at no path point)
AF-VCC: C24.2 C25.2 M1.24 U8.2 | length 1516.6
  Top Layer w10: v5(12625,14080) 12630,14080 12733.76,14183.76 12778.39,14183.76 M1.24@12808.45,14153.71
  Bottom Layer w10: v5(12625,14080) 12625,14075 12375,13825 12375,13540 12545,13370 12750,13370 12783.25,13336.75 U8.2@12783.25,13278.25
  Bottom Layer w12: C25.2@12700,13278.25 C24.2@12740,13278.25 U8.2@12783.25,13278.25
AVDD: C29.2 C30.2 L5.2 M1.4 | length 1460.6
  Top Layer w10: v5(12400,14020) 12400,14005 12529.68,13875.32 M1.4@12530.06,13875.32
  Bottom Layer w10: v5(12400,14020) 12399.82,14019.82 12399.82,14004.82 12295,13900 12235,13900 12190,13855 12190,13390 12285,13295 12340,13295 12490,13145 12518.25,13145 C30.2@12520,13146.75
  Bottom Layer w12: C30.2@12520,13146.75 C29.2@12560,13146.75 12560.88,13145.88 12595.88,13145.88 L5.2@12596.75,13145
BOOT_MODE1: I.MX6UL_CORE.J2_8 R11.2 | length 98.6
  Bottom Layer w8: R11.2@13152.17,13018.43 13152.48,13018.11 I.MX6UL_CORE.J2_8@13152.48,12920
CH340_D+: U3.5 USB_TTL.3 | length 508.9
  Bottom Layer w12: USB_TTL.3@12692.36,12130 12785,12130 12804.75,12110.25 12881.85,12110.25 12920,12148.41 12920,12314.92 12889.92,12345 U3.5@12841.73,12345
CH340_D-: U3.6 USB_TTL.2 | length 603.4
  Bottom Layer w12: USB_TTL.2@12692.36,12098.51 12781.49,12098.51 12796.35,12083.65 12888.65,12083.65 12940,12135 12940,12343.86 12888.86,12395 U3.6@12841.73,12395
DCDC_1V5: C21.2 C22.2 C34.1 L4.2 M1.10 | length 952.8
  Top Layer w10: v5(12520,14005) 12567.41,14005 M1.10@12613.58,13958.84
  Bottom Layer w10: C21.2@12340,13383.25 C22.2@12380,13383.25 12383.25,13380 L4.2@12416.75,13380 ; C34.1@12420,13338.25 12416.75,13341.5 L4.2@12416.75,13380 ; v5(12520,14005) 12355,13840 12355,13470 12416.75,13408.25 L4.2@12416.75,13380
DCDC_2V8: C27.2 C28.2 L3.2 L5.1 L6.1 U9.2 | length 358.8
  Bottom Layer w12: L6.1@12653.25,13105 L5.1@12653.25,13145 ; L3.2@12653.25,13335 L5.1@12653.25,13145 ; U9.2@12780,13140 12776.75,13143.25 C27.2@12735,13143.25 C28.2@12695,13143.25 12694.12,13144.12 12654.12,13144.12 L5.1@12653.25,13145
DCDC_3V3: C12.1 C13.1 C14.1 C18.2 C19.2 C23.2 C26.2 C35.2 D4.2 JP1.2 JP1.8 L2.2 L7.2 LED2.1 LED3.1 R9.2 R11.1 R12.1 R13.1 R14.1 R15.2 R16.2 R17.2 R31.1 R32.1 R33.1 R34.1 TF_CARD1.4 U5.5 U5.6 U6.5 U6.6 U8.3 U9.3 | length 11127.2
  Top Layer w8: 12326.75,13710 12326.75,13736.75 12344.02,13754.02 v7(12435.03,13754.02)
  Top Layer w15: LED2.1@12040,14255 12385,14600 LED3.1@12385,14605 12385.82,14605.82 12414.18,14605.82 v2(12530,14490) R33.1@12530,14433.25 R34.1@12490,14433.25 ; v2(12180,14005) 12180,13770 12240,13710 12326.75,13710 12326.75,13670 12326.75,13630 C19.2@12326.75,13590 12326.75,13550 12326.75,13510 12326.75,13470 12326.75,13333.25 12445,13215 12445,12980 12305,12840 v2(12305,12810) ; v2(12360,12605) 12380,12585 JP1.8@12610,12585 12695,12500 13099.6,12500 13174.67,12575.06 13200.06,12575.06 JP1.2@13210,12585 13208.22,12585 13175.75,12617.47 13152.53,12617.47 13135.99,12634.01 13135.99,12660.99 13155,12680 13215,12680 13340,12805 13340,12845 13305,12880 13200,12880 13090,12770 13000,12770 12960,12810 R31.1@12960,12891.75 R32.1@13000,12891.75 ; v2(12895,13040) 12935,13040 12970,13075 v2(13070,13075) ; L7.2@13075,14523.25 13076.62,14521.62 13143.38,14521.62 v2(13145,14520) ; v3(13290,13325) 13290,13278.51 13303.51,13265 L2.2@13358.74,13265 13470,13265 13670.02,13064.98 R15.2@13670.02,12969.98 ; v3(13335,13545) C14.1@13335,13643.7 ; v2(13650,14410) 13700,14460 ; 13700,14460.05 R13.1@13724.98,14485.02 R12.1@13759.98,14520.02
  Bottom Layer w8: v7(12435.03,13754.02) 12435.03,13652.39 12476.92,13610.5 12510.5,13610.5 12588.31,13688.31 TF_CARD1.4@12675,13688.31
  Bottom Layer w10: U5.6@12414.41,12372.6 U5.5@12440,12372.6 12440,12400 12451.75,12411.75 C18.2@12505,12411.75 12509.15,12407.6 U6.6@12544.41,12407.6 ; U6.5@12570,12407.6 U6.6@12544.41,12407.6 ; JP1.8@12610,12585 12650,12545 12650,12475 12612.81,12437.81 12552.81,12437.81 12544.4,12429.4 U6.6@12544.41,12407.6
  Bottom Layer w15: v2(12180,14005) 12180,14180 12490,14490 v2(12530,14490) 12675,14490 12733.25,14548.25 R14.1@12995,14548.25 12996.75,14550 13115,14550 v2(13145,14520) 13162.08,14502.92 13557.08,14502.92 v2(13650,14410) 13650,13865 13600,13815 13365.61,13815 13330,13779.39 D4.2@13330,13695 13335,13690 v3(13335,13545) 13290,13500 v3(13290,13325) C12.1@13248.25,13325 13250,13323.25 13250,13245 13231.75,13226.75 C13.1@13190,13226.75 13189.12,13225.88 13149.12,13225.88 R9.2@13148.25,13225 13150.21,13223.04 13150.21,13076.88 R11.1@13152.13,13074.96 ; R17.2@12235,12526.75 R16.2@12185,12526.75 12181.75,12530 12155,12530 12125,12560 12125,12635 12200,12710 12200,12745 12265,12810 v2(12305,12810) 12360,12755 v2(12360,12605) ; U9.3@12865,13108 U9.3@12860,13103 ; U8.3@12865,13243 12865.12,13243.12 12914.88,13243.12 C23.2@12915,13243.25 ; v2(12895,13040) 12860,13075 U9.3@12860,13103 ; C35.2@12915,13291.75 C23.2@12915,13243.25 ; v2(13070,13075) v2(13070,13075) R11.1@13152.13,13074.96 ; U9.3@12860,13103 12867.15,13095.85 12910.9,13095.85 C26.2@12915,13091.75 12951.75,13091.75 12970,13110 12970,13220 12946.75,13243.25 C23.2@12915,13243.25 ; R11.1@13152.13,13074.96 R11.1@13152.17,13074.93
DCDC_5V: C1.1 C9.2 C10.2 D1.1 D2.1 D3.2 I.MX6UL_CORE.J2_1 I.MX6UL_CORE.J2_2 R5.2 SW4.6 U2.3 USB1.1 USB1.5 | length 3042.3
  Top Layer w15: U2.3@13141.18,13457.4 13146.67,13457.4 13150,13460.73 C9.2@13150,13516.75 C10.2@13195,13516.75 ; U2.3@13150,13457.68 v2(13342.32,13457.68) ; USB1.1@13197.61,12337.94 USB1.5@13300.76,12337.94 13302.22,12336.47 13375.54,12336.47 D2.1@13377.01,12335 ; D1.1@13377.01,12265 D2.1@13377.01,12335 ; v2(13424.16,12920.19) 13424.16,12711.31 13490,12645.47 13490,12390 13435,12335 D2.1@13377.01,12335 ; SW4.6@13710,14325.81 SW4.6@13709.73,14326.08 13710.43,14326.08 13764.32,14379.98 R5.2@13765.02,14379.98
  Bottom Layer w12: I.MX6UL_CORE.J2_2@13341.46,12920 I.MX6UL_CORE.J2_1@13372.95,12920 13372.95,12890.89 I.MX6UL_CORE.J2_1@13373.84,12890 ; I.MX6UL_CORE.J2_2@13341.75,12921.81 C1.1@13341.75,13045 ; I.MX6UL_CORE.J2_1@13370,12920.19 v2(13424.16,12920.19)
  Bottom Layer w15: C1.1@13341.75,13045 13342.32,13045.57 v2(13342.32,13457.68) 13460,13575.36 D3.2@13460,13690 13535,13690 13710,13865 13710,14325.81 SW4.6@13709.73,14326.08
DOVDD: C31.2 C32.2 L6.2 M1.11 | length 1653.7
  Top Layer w10: v5(12530,14070) 12530.25,14070 M1.11@12627.5,13972.75
  Bottom Layer w10: C32.2@12520,13103.25 12461.75,13103.25 12440,13125 12440,13165 12330,13275 12275,13275 12170,13380 12170,13865 12225,13920 12280,13920 12340,13980 12340,14015 12395,14070 v5(12530,14070)
  Bottom Layer w12: C32.2@12520,13103.25 C31.2@12560,13103.25 12560.88,13104.12 12595.88,13104.12 L6.2@12596.75,13105